# Altium PCB 小车PCB.PcbDoc (part 3 of 4) (continued)
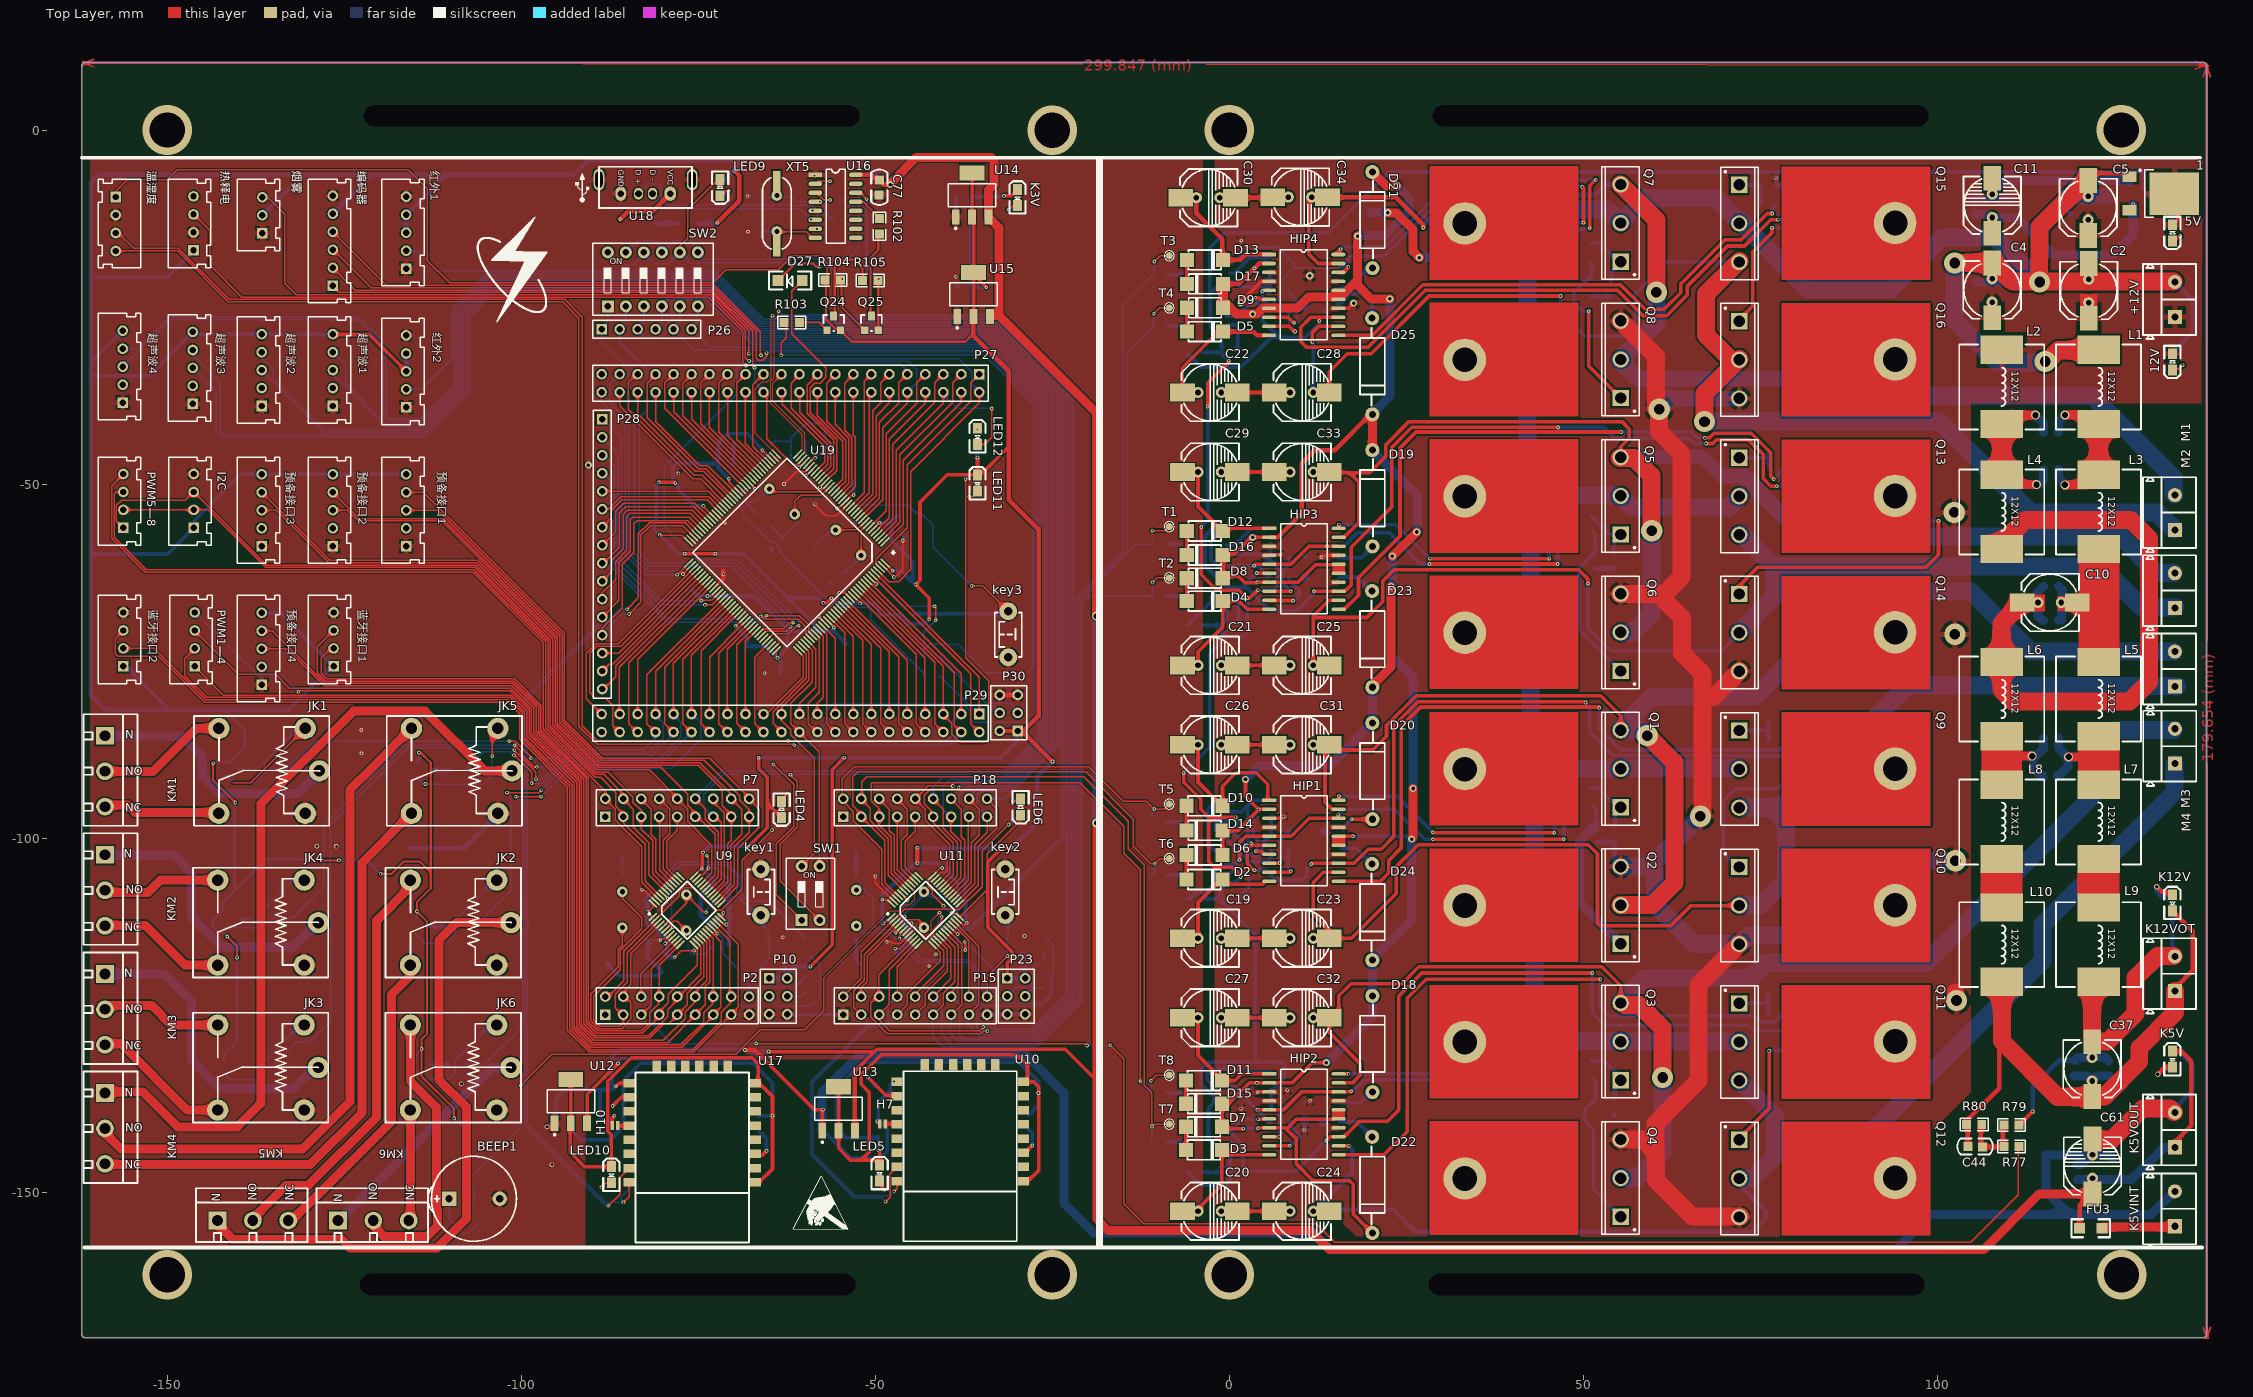
[diagram p0: Top Layer view]
## Nets (pads, with @x,y where several pads share a name; then routed paths per layer and width w, separated by ;. In a path a pad name is that pad's centre, name@x,y a point inside that pad or via, vN(x,y) a via of type N, cw(c..) or ccw(c..) an arc to the next point about the centre after c; other vN are vias at no path point) (continued)
NetJK4_2: JK4.2 Q21.1 | length 14.7
  Bottom Layer w0.203: Q21.1@-142.164,-112.272 -141.837,-112.598 -137.338,-112.598 -136.627,-111.887 -136.627,-110.236 -132.41,-106.02 JK4.2@-131.267,-106.02
NetJK5_2: JK5.2 Q22.1 | length 18.5
  Top Layer w0.203: v1(-104.089,-88.341) -104.089,-85.217 JK5.2@-103.327,-84.455
  Bottom Layer w0.203: Q22.1@-114.732,-91.241 -114.732,-91.313 -113.767,-92.278 v1(-113.513,-92.278) -105.461,-92.278 -104.191,-91.008 -104.191,-88.443 v1(-104.089,-88.341)
NetJK6_2: JK6.2 Q23.1 | length 15.6
  Bottom Layer w0.203: Q23.1@-114.859,-132.82 -113.72,-133.96 -110.312,-133.96 -109.347,-132.994 -109.347,-131.293 JK6.2@-104.013,-125.959
NetL7_2: L7.2 L9.1 | length 7.2
  Top Layer w2.54: L7.2@122.753,-102.863 122.753,-109.291 L9.1@123.317,-109.855
NetL8_2: L8.2 L10.1 | length 7.2
  Top Layer w2.54: L8.2@109.087,-102.863 109.087,-109.519 L10.1@109.499,-109.931
NetLED1_1: 12V.1 R1.1 | length 3.3
  Top Layer w0.203: 12V.1@133.172,-33.68 134.061,-33.68 v1(134.62,-33.122)
  Bottom Layer w0.203: R1.1@133.172,-33.579 134.163,-33.579 v1(134.62,-33.122)
NetLED2_1: 5V.1 R2.1 | length 2.7
  Top Layer w0.203: 5V.1@133.172,-15.596 133.553,-15.596 v1(134.264,-14.884)
  Bottom Layer w0.203: R2.1@133.274,-15.443 133.706,-15.443 v1(134.264,-14.884)
  Bottom Layer w0.508: R2.1@133.172,-15.469 R2.1@133.248,-15.392
NetLED3_1: K12V.1 R3.1 | length 5.8
  Top Layer w0.635: v7(130.988,-106.782) 131.801,-107.594 K12V.1@133.248,-107.594
  Bottom Layer w0.635: v7(130.988,-106.782) 130.988,-107.518 131.648,-108.179 R3.1@133.172,-108.179
NetLED4_2: LED4.2 R76.1 | length 3
  Top Layer w0.203: LED4.2@-63.094,-94.844 -63.094,-94.285 v1(-62.408,-93.599)
  Bottom Layer w0.203: R76.1@-63.195,-94.742 -63.195,-94.386 v1(-62.408,-93.599)
NetLED5_2: LED5.2 R85.1 | length 3.5
  Top Layer w0.203: LED5.2@-49.378,-148.361 -49.632,-148.615 -48.717,-149.53 v1(-48.717,-149.581)
  Bottom Layer w0.203: R85.1@-49.2,-148.387 -49.606,-148.793 -48.819,-149.581 v1(-48.717,-149.581)
NetLED6_2: LED6.2 R86.1 | length 2.4
  Top Layer w0.203: v1(-30.556,-94.691) -30.074,-94.691 LED6.2@-29.591,-94.209
  Bottom Layer w0.203: v1(-30.556,-94.691) -30.15,-94.285 R86.1@-29.464,-94.285
NetLED7_2: K3V.2 R91.2 | length 2.8
  Top Layer w0.203: v1(-31.217,-11.201) -30.607,-10.592 K3V.2@-29.921,-10.592
  Bottom Layer w0.203: v1(-31.217,-11.201) -30.785,-11.201 R91.2@-30.175,-10.592
NetLED8_2: K5V.2 R92.2 | length 4.8
  Top Layer w0.635: v7(131.14,-133.248) 132.105,-132.283 K5V.2@133.172,-132.283
  Bottom Layer w0.635: v7(131.14,-133.248) 131.928,-132.461 R92.2@133.172,-132.461
NetLED9_1: LED9.1 R99.1 | length 2.9
  Top Layer w0.203: LED9.1@-71.806,-9.246 -71.069,-8.509 v1(-70.688,-8.509)
  Bottom Layer w0.203: R99.1@-71.882,-9.169 -71.349,-9.169 v1(-70.688,-8.509)
NetLED10_2: LED10.2 R106.1 | length 3.6
  Top Layer w0.203: v1(-88.671,-149.25) -88.011,-148.59 LED10.2@-87.274,-148.59
  Bottom Layer w0.203: v1(-88.671,-149.25) -87.859,-149.25 R106.1@-87.071,-148.463
NetLED11_2: LED11.2 R109.1 | length 3.5
  Top Layer w0.203: v1(-36.754,-51.74) -36.22,-51.74 LED11.2@-35.408,-50.927
  Bottom Layer w0.203: v1(-36.754,-51.74) -36.83,-51.816 -36.83,-51.867 -36.551,-51.867 R109.1@-35.585,-50.902
NetLED12_1: LED12.1 R114.1 | length 0.1
  Top Layer w0.508: LED12.1@-35.636,-42.164 v1(-35.611,-42.189)
  Bottom Layer w0.508: v1(-35.611,-42.189) R114.1@-35.56,-42.189
NetP10_3: P10.3 R82.1 | length 14.8
  Bottom Layer w0.203: P10.3@-64.973,-122.25 -63.652,-123.571 -58.928,-123.571 -57.734,-122.377 -57.734,-118.059 ; R82.1@-59.258,-116.51 -57.721,-118.046
NetP10_4: P10.4 R83.2 | length 3
  Bottom Layer w0.203: P10.4@-62.433,-122.25 -60.401,-122.25 R83.2@-59.715,-121.564
NetP23_3: P23.3 R88.1 | length 9.4
  Bottom Layer w0.203: P23.3@-31.242,-122.098 -30.099,-120.955 -28.245,-120.955 -27.711,-120.421 -27.711,-118.364 -26.162,-116.815 R88.1@-26.162,-115.926
NetP23_4: P23.4 R90.2 | length 3.2
  Bottom Layer w0.203: P23.4@-28.905,-122.225 -27.788,-121.107 R90.2@-26.162,-121.107
NetP30_3: P30.3 R108.1 | length 14.2
  Bottom Layer w0.203: R108.1@-40.97,-74.244 -34.341,-80.874 -30.963,-80.874 P30.3@-29.921,-81.915
NetP30_4: P30.4 R110.2 | length 10.6
  Bottom Layer w0.203: R110.2@-40.97,-76.962 -36.678,-81.255 -33.376,-81.255 P30.4@-32.487,-82.144
NetQ1_1: Q1.1 R44.2 R52.2 | length 7.3
  Bottom Layer w0.508: R44.2@51.105,-92.888 R44.2@51.232,-92.888 52.248,-92.888 Q1.1@54.991,-95.631 ; Q1.1@54.254,-96.114 54.458,-96.317 R52.2@54.458,-98.196 R52.2@54.458,-98.323
NetQ2_1: Q2.1 R45.1 R53.1 | length 22.9
  Bottom Layer w0.508: R45.1@51.46,-95.453 51.791,-95.783 R53.1@51.791,-98.323
  Bottom Layer w1.27: R53.1@51.587,-98.222 49.428,-100.381 49.428,-109.005 Q2.1@55.27,-114.847
NetQ3_1: Q3.1 R46.2 R54.2 | length 8.5
  Bottom Layer w0.508: R46.2@51.105,-131.394 R46.2@51.232,-131.394 52.908,-131.394 55.016,-133.502 Q3.1@55.016,-134.061 ; R54.2@54.432,-136.779 R54.2@54.432,-136.652 54.432,-134.645 Q3.1@55.016,-134.061 ; Q3.1@55.016,-134.214 Q3.1@55.016,-134.061
NetQ4_1: Q4.1 R47.1 R55.1 | length 22.4
  Bottom Layer w0.508: R47.1@51.308,-133.909 51.714,-134.315 51.714,-136.779 50.216,-138.278 50.216,-139.929 51.46,-141.173 51.46,-149.574 Q4.1@55.27,-153.384
NetQ5_1: Q5.1 R48.2 R56.2 | length 8.1
  Bottom Layer w0.508: R48.2@51.13,-54.458 53.721,-57.048 Q5.1@55.042,-57.048 ; R56.2@54.331,-59.741 R56.2@54.331,-59.614 54.331,-57.76 Q5.1@55.042,-57.048 ; Q5.1@55.169,-57.048 Q5.1@55.042,-57.048
NetQ6_1: Q6.1 R49.1 R57.1 | length 23.3
  Bottom Layer w0.508: R49.1@51.308,-56.642 51.689,-57.023 R57.1@51.689,-59.741 ; R57.1@51.613,-59.588 49.378,-61.824 49.378,-70.418 Q6.1@55.27,-76.311
NetQ7_1: Q7.1 R50.2 R58.2 | length 8.1
  Bottom Layer w0.508: R50.2@51.13,-15.9 R50.2@51.257,-15.9 52.299,-15.9 54.966,-18.567 Q7.1@55.169,-18.567 ; R58.2@53.899,-21.26 R58.2@53.899,-21.133 53.899,-20.015 Q7.1@55.093,-18.821
NetQ8_1: Q8.1 R51.1 R59.1 | length 23.3
  Top Layer w0.508: v1(50.749,-25.527) 50.749,-33.253 Q8.1@55.27,-37.774
  Bottom Layer w0.508: R59.1@50.698,-20.853 48.641,-22.911 48.641,-24.282 49.886,-25.527 v1(50.749,-25.527) ; R59.1@51.13,-20.904 R51.1@51.13,-18.593
NetQ9_1: Q9.1 R60.2 R68.1 | length 6.8
  Bottom Layer w0.508: Q9.1@72.009,-84.725 76.038,-84.725 76.124,-84.811 ; R68.1@76.149,-86.081 76.149,-83.617 R60.2@76.302,-83.464
NetQ10_1: Q10.1 R61.1 R69.1 | length 30.6
  Bottom Layer w0.508: Q10.1@71.882,-104.14 69.748,-102.006 69.748,-94.64 71.45,-92.939 77.521,-92.939 77.495,-92.913 83.134,-87.274 R69.1@83.134,-86.081 ; R61.1@83.134,-83.414 83.134,-85.674 R69.1@83.312,-85.852
NetQ11_1: Q11.1 R62.2 R70.1 | length 6.8
  Bottom Layer w0.508: Q11.1@72.009,-123.262 76.069,-123.262 76.073,-123.266 ; R62.2@76.124,-121.971 76.124,-124.587 R70.1@76.2,-124.663
NetQ12_1: Q12.1 R63.1 R71.1 | length 26.2
  Top Layer w0.508: Q12.1@71.857,-142.469 76.225,-138.1 v1(76.225,-129.972)
  Bottom Layer w0.508: v1(76.225,-129.972) 77.962,-129.972 83.109,-124.825 83.109,-122.098 R63.1@82.982,-121.971
NetQ13_1: Q13.1 R64.2 R72.1 | length 6.7
  Bottom Layer w0.508: Q13.1@72.009,-46.189 76.163,-46.189 76.175,-46.177 ; R64.2@76.124,-45.11 76.175,-45.161 76.175,-46.177 ; R72.1@76.175,-47.65 76.175,-46.177
NetQ14_1: Q14.1 R65.1 R73.1 | length 58.7
  Top Layer w0.508: Q14.1@71.984,-65.151 71.984,-64.313 74.6,-61.697 98.374,-61.697 ; 98.374,-61.671 100.152,-59.893 v1(100.152,-55.093)
  Bottom Layer w0.508: R73.1@83.134,-47.65 90.576,-55.093 v1(100.152,-55.093) ; R65.1@83.134,-44.933 83.134,-47.625 R73.1@83.312,-47.803
NetQ15_1: Q15.1 R66.2 R74.1 | length 5.8
  Bottom Layer w0.508: Q15.1@72.009,-7.652 75.114,-7.652 R66.2@75.133,-7.671 ; R74.1@75.032,-10.389 75.057,-10.363 R66.2@75.057,-7.696
NetQ16_1: Q16.1 R67.1 R75.1 | length 24.3
  Top Layer w0.508: Q16.1@71.984,-26.441 72.238,-26.441 73.914,-24.765 73.914,-17.145 76.632,-14.427 v1(76.632,-13.716)
  Bottom Layer w0.508: v1(76.632,-13.716) 78.892,-13.716 R75.1@82.144,-10.465 ; R75.1@82.017,-10.287 82.093,-10.211 R67.1@82.093,-7.696
NetQ17_3: Q17.3 R89.2 | length 2.4
  Bottom Layer w0.203: Q17.3@-106.611,-151.714 -106.611,-149.385 R89.2@-106.553,-149.327
NetQ18_3: Q18.3 R93.2 | length 2.8
  Bottom Layer w0.203: Q18.3@-140.056,-90.199 R93.2@-137.744,-90.199 -137.486,-90.199 R93.2@-137.338,-90.348
NetQ19_3: Q19.3 R94.2 | length 2.5
  Bottom Layer w0.508: Q19.3@-112.928,-112.45 -110.722,-112.45 R94.2@-110.541,-112.268
NetQ20_3: Q20.3 R95.2 | length 2.6
  Bottom Layer w0.203: Q20.3@-139.954,-132.211 -137.537,-132.211 R95.2@-137.389,-132.359
NetQ21_3: Q21.3 R96.2 | length 2.2
  Bottom Layer w0.203: Q21.3@-140.132,-111.332 -138.071,-111.332 R96.2@-137.998,-111.404
NetQ22_3: Q22.3 R97.2 | length 2.6
  Bottom Layer w0.635: Q22.3@-112.7,-90.301 -110.207,-90.301 R97.2@-110.16,-90.348
NetQ23_3: Q23.3 R98.2 | length 2.6
  Bottom Layer w0.508: Q23.3@-112.827,-131.881 R98.2@-110.515,-131.881 -110.341,-131.881 R98.2@-110.287,-131.826
NetQ24_1: Q24.1 R103.2 | length 4.4
  Top Layer w0.203: R103.2@-60.757,-27.102 -57.912,-27.102 Q24.1@-56.82,-28.194
NetQ24_3: Q24.3 R105.1 | length 13.5
  Top Layer w0.305: Q24.3@-55.88,-26.162 -55.728,-26.01 -55.728,-18.898 -55.067,-18.237 -53.086,-18.237 -51.816,-19.507 ; R105.1@-51.791,-21.133 -51.791,-19.634
NetQ25_2: Q25.2 R105.2 U16.14 | length 21
  Top Layer w0.305: U16.14@-52.743,-8.788 -52.095,-8.788 v1(-51.206,-9.677) ; R105.2@-49.809,-21.158 -49.721,-21.247 -49.581,-21.387 Q25.2@-49.581,-28.194
  Bottom Layer w0.305: v1(-51.206,-9.677) -51.206,-19.279 v1(-49.505,-20.98)
NetQ25_3: Q25.3 R102.2 | length 12.1
  Top Layer w0.305: Q25.3@-50.546,-26.162 -50.673,-26.035 -50.673,-17.958 -49.581,-16.866 R102.2@-49.581,-14.605
NetR4_2: R4.2 U1.2 | length 2
  Bottom Layer w0.508: R4.2@-8.738,-105.156 R4.2@-8.611,-105.156 -7.061,-105.156 U1.2@-6.934,-105.029 ; U1.2@-6.68,-105.156 U1.2@-6.553,-105.029
NetR5_2: R5.2 U2.2 | length 2.1
  Bottom Layer w0.508: R5.2@-8.738,-97.688 R5.2@-8.611,-97.688 -7.061,-97.688 U2.2@-6.756,-97.384
NetR6_2: R6.2 U3.2 | length 2.1
  Bottom Layer w0.508: R6.2@-8.788,-135.89 R6.2@-8.661,-135.89 U3.2@-6.655,-135.89
NetR7_2: R7.2 U4.2 | length 1.9
  Bottom Layer w0.508: R7.2@-8.788,-142.824 R7.2@-8.661,-142.824 -6.985,-142.824 U4.2@-6.934,-142.773
NetR8_2: R8.2 U5.2 | length 1.9
  Bottom Layer w0.508: R8.2@-8.788,-58.445 R8.2@-8.661,-58.445 U5.2@-6.858,-58.445
NetR9_2: R9.2 U6.2 | length 2.1
  Bottom Layer w0.508: R9.2@-8.788,-65.761 R9.2@-8.661,-65.761 U6.2@-6.68,-65.761
NetR10_2: R10.2 U7.2 | length 2.1
  Bottom Layer w0.508: R10.2@-8.661,-20.422 R10.2@-8.534,-20.422 -7.036,-20.422 U7.2@-6.731,-20.117
NetR11_2: R11.2 U8.2 | length 2.3
  Bottom Layer w0.508: R11.2@-8.661,-27.559 R11.2@-8.534,-27.559 -6.528,-27.559 U8.2@-6.375,-27.407
NetR12_2: R12.2 U1.7 | length 7.1
  Bottom Layer w0.508: U1.7@0.051,-104.927 0.356,-104.623 2.083,-104.623 2.743,-105.283 2.743,-106.883 R12.2@1.067,-108.56
NetR13_2: R13.2 U2.7 | length 13.5
  Bottom Layer w0.508: U2.7@-0.47,-97.46 -1.473,-97.46 -2.007,-97.993 -2.007,-98.823 -1.414,-99.416 -1.016,-99.416 2.823,-103.255 5.305,-103.255 5.918,-102.641 R13.2@5.918,-101.727
NetR14_2: R14.2 U3.7 | length 13
  Bottom Layer w0.508: U3.7@-1.321,-135.915 -3.124,-134.112 -3.124,-133.299 -2.286,-132.461 1.219,-132.461 1.778,-133.02 R14.2@5.893,-133.02
NetR15_2: R15.2 U4.7 | length 13.1
  Bottom Layer w0.508: R15.2@-5.893,-147.066 -4.039,-148.92 -0.279,-148.92 0.102,-148.539 0.102,-144.95 0.749,-144.302 0.749,-143.345 U4.7@0.254,-142.85
NetR16_2: R16.2 U5.7 | length 7.1
  Bottom Layer w0.508: U5.7@-0.445,-58.547 0.737,-58.547 2.396,-56.888 2.421,-56.888 3.175,-56.134 R16.2@5.664,-56.134
NetR17_2: R17.2 U6.7 | length 5.3
  Bottom Layer w0.508: U6.7@-0.445,-65.786 0.838,-65.786 1.27,-66.218 1.27,-69.469 R17.2@1.168,-69.571
NetR24_2: R24.2 U7.7 | length 6.5
  Bottom Layer w0.508: U7.7@0.127,-20.142 0.686,-20.142 2.845,-17.983 R24.2@5.69,-17.983
NetR25_2: R25.2 U8.7 | length 5.2
  Bottom Layer w0.508: U8.7@-0.445,-27.483 0.914,-27.483 1.168,-27.737 R25.2@1.168,-31.191
NetR81_2: R81.2 U10.3 | length 4.3
  Top Layer w0.508: U10.3@-29.121,-144.342 -28.848,-144.342 v1(-27.838,-143.332)
  Bottom Layer w0.508: R81.2@-28.372,-140.995 -27.838,-141.529 v1(-27.838,-143.332)
NetR84_2: R84.2 U10.16 | length 7.3
  Top Layer w0.508: v1(-51.079,-133.706) -48.539,-136.246 U10.16@-46.888,-136.246
  Bottom Layer w0.508: v1(-51.079,-133.706) -51.029,-133.706 R84.2@-49.606,-135.128
NetR100_2: R100.2 U16.3 | length 2.5
  Top Layer w0.203: U16.3@-58.458,-8.788 -58.313,-8.788 -57.297,-9.804 v1(-56.363,-9.804)
NetR101_2: R101.2 U17.3 | length 4.6
  Top Layer w0.508: U17.3@-66.624,-144.729 -65.989,-144.729 v1(-65.354,-144.094)
  Bottom Layer w0.508: R101.2@-66.319,-141.402 -65.354,-142.367 v1(-65.354,-144.094)
NetR102_1: R102.1 U16.13 | length 3.8
  Top Layer w0.203: U16.13@-52.248,-10.033 -51.689,-10.033 R102.1@-49.428,-12.294
NetR107_2: R107.2 U17.16 | length 2.9
  Top Layer w0.508: v1(-87.097,-137.744) -85.872,-136.52 U17.16@-84.742,-136.52
PA0: P24.2 P27.26 U19.34 | length 85
  Top Layer w0.203: P24.2@-126.517,-19.456 -123.444,-22.53 -73.056,-22.53 -67.31,-28.276 -67.31,-33.249 v1(-67.056,-33.503) ; P27.26@-65.786,-36.957 -65.303,-37.44 -65.303,-43.536 -61.62,-47.219 -61.087,-47.219 U19.34@-60.808,-46.939
  Bottom Layer w0.203: v1(-67.056,-33.503) -67.005,-33.553 -67.005,-35.458 -65.913,-36.551 P27.26@-65.913,-36.881
PA1: P27.23 U19.35 | length 13.4
  Top Layer w0.127: P27.23@-63.5,-34.722 -64.465,-35.687 -64.465,-38.227 -59.969,-42.723 -59.969,-45.39 U19.35@-60.274,-45.695
PA4: P27.25 U19.40 | length 13.2
  Top Layer w0.203: P27.25@-65.786,-34.417 -67.285,-35.916 -67.285,-44.552 U19.40@-65.557,-46.279
PA5: P27.28 U19.41 | length 10.7
  Top Layer w0.203: P27.28@-68.326,-36.932 -68.326,-44.196 U19.41@-65.888,-46.634
PA6: P27.27 U19.42 | length 14.4
  Top Layer w0.203: P27.27@-68.326,-34.392 -69.545,-35.611 -69.545,-43.612 U19.42@-66.269,-46.888
PA7: P27.30 U19.43 | length 12.1
  Top Layer w0.203: P27.30@-70.866,-36.957 -70.866,-43.078 U19.43@-66.624,-47.32
PA8: P29.27 U19.100 | length 11.7
  Top Layer w0.203: P29.27@-68.326,-82.372 -68.326,-72.136 U19.100@-67.31,-71.12
PA12: P24.1 U19.104 | length 123.9
  Top Layer w0.203: P24.1@-126.67,-21.895 -125.705,-22.86 -73.193,-22.86 -67.843,-28.21 v1(-67.843,-31.496) ; U19.104@-64.872,-71.552 -64.389,-71.069 -62.205,-71.069 -61.062,-69.926 v1(-60.808,-69.926)
  Bottom Layer w0.203: v1(-67.843,-31.496) -67.843,-31.725 -69.596,-33.477 -69.596,-37.236 -79.807,-47.447 -79.807,-55.873 -79.571,-56.109 -79.571,-56.116 -75.082,-60.604 -69.571,-60.604 -61.087,-69.088 -61.087,-69.113 -60.808,-69.393 v1@-60.808,-69.85 ; v1(-60.808,-69.926) v1@-60.77,-69.888
PA13: P29.26 U19.105 | length 13.1
  Top Layer w0.203: P29.26@-65.811,-84.963 -67.031,-83.744 -67.031,-74.397 U19.105@-65.608,-72.974
PA14: P29.25 U19.109 | length 11
  Top Layer w0.203: P29.25@-65.786,-82.398 -65.38,-82.398 -60.198,-77.216 -60.198,-74.193 U19.109@-60.376,-74.016
PA15: P29.24 U19.110 | length 13.9
  Top Layer w0.203: P29.24@-63.221,-84.938 -64.44,-83.718 -64.44,-82.067 -59.741,-77.368 -59.741,-73.965 U19.110@-60.046,-73.66
PB0: P27.31 U19.46 | length 17.3
  Top Layer w0.203: P27.31@-73.431,-34.417 -74.651,-35.636 -74.651,-41.377 -67.691,-48.336 U19.46@-67.691,-48.362
PB1: P27.34 U19.47 | length 15
  Top Layer w0.203: P27.34@-75.946,-37.008 -75.946,-40.792 -68.072,-48.666 U19.47@-68.072,-48.717
PB3: P29.7 U19.133 | length 20.8
  Top Layer w0.203: U19.133@-51.994,-65.43 -42.977,-74.447 P29.7@-42.977,-82.448
PB4: P29.6 U19.134 | length 24.6
  Top Layer w0.203: U19.134@-51.689,-65.049 -41.631,-75.108 -41.631,-83.769 P29.6@-40.411,-84.988
PB5: P29.5 R109.2 U19.135 | length 71.4
  Top Layer w0.203: U19.135@-51.283,-64.745 -40.411,-75.616 P29.5@-40.411,-82.448 ; P29.5@-40.488,-82.423 -39.192,-83.718 -39.192,-85.268 -38.049,-86.411 -34.442,-86.411 -33.985,-85.954 -33.985,-77.673 -37.236,-74.422 v1(-37.236,-49.251)
  Bottom Layer w0.203: v1(-37.236,-49.251) -36.754,-48.768 -35.56,-48.768 R109.2@-35.585,-48.743
PB8: P29.2 U19.139 | length 28.4
  Top Layer w0.203: U19.139@-50.37,-62.836 -49.377,-63.829 -49.377,-63.831 -36.525,-76.683 -36.525,-83.769 P29.2@-35.306,-84.988
PB9: P29.1 U19.140 | length 25.5
  Top Layer w0.203: U19.140@-49.606,-62.89 -35.306,-77.191 P29.1@-35.306,-82.398 P29.1@-35.306,-82.448
PB12: P27.44 U19.73 | length 34.6
  Top Layer w0.203: v1(-78.003,-62.713) -77.927,-62.713 -76.759,-61.544 U19.73@-76.759,-61.519
  Bottom Layer w0.203: P27.44@-88.646,-36.932 -88.646,-38.354 -85.319,-41.681 -85.319,-59.868 -82.474,-62.713 -78.232,-62.713 v1@-78.105,-62.586 ; v1(-78.003,-62.713) v1@-77.927,-62.713
PB13: P27.41 U19.74 | length 36.6
  Top Layer w0.203: v1(-77.154,-62.622) U19.74@-76.53,-61.998
  Bottom Layer w0.203: P27.41@-86.106,-34.392 -87.401,-35.687 -87.401,-38.481 -84.785,-41.097 -84.785,-59.665 -82.321,-62.128 -77.648,-62.128 v1(-77.154,-62.622)
PB14: P29.43 U19.75 | length 29.4
  Top Layer w0.203: P29.43@-88.646,-81.915 P29.43@-88.646,-82.398 -90.78,-80.264 -90.78,-73.787 -89.459,-72.466 -86.309,-72.466 U19.75@-76.149,-62.306
PB15: P29.42 U19.76 | length 33
  Top Layer w0.203: P29.42@-86.131,-85.014 -87.085,-84.061 -87.085,-81.165 -88.087,-80.162 -89.51,-80.162 -90.322,-79.35 -90.322,-73.797 -89.322,-72.796 -85.954,-72.796 -75.768,-62.611 U19.76@-75.717,-62.611
PC0: P27.19 U19.26 | length 16.8
  Top Layer w0.203: P27.19@-58.166,-34.468 -59.639,-35.941 -59.639,-39.929 -55.88,-43.688 -55.88,-47.752 U19.26@-56.845,-48.717
PC1: P27.22 U19.27 | length 13.8
  Top Layer w0.203: P27.22@-60.655,-36.982 -60.655,-39.776 -56.286,-44.145 -56.286,-47.396 U19.27@-57.379,-48.489
PC2: P27.21 U19.28 | length 16.7
  Top Layer w0.203: P27.21@-60.655,-34.442 -61.874,-35.662 -61.874,-39.243 -56.718,-44.399 -56.718,-47.142 U19.28@-57.683,-48.108
PC3: P27.24 U19.29 | length 13.6
  Top Layer w0.203: P27.24@-63.271,-36.982 -63.144,-37.109 -63.144,-38.633 -57.15,-44.628 -57.15,-46.838 U19.29@-57.988,-47.676
PC4: P27.29 U19.44 | length 16
  Top Layer w0.203: P27.29@-70.866,-34.417 -72.085,-35.636 -72.085,-42.57 U19.44@-66.904,-47.752
PC5: P27.32 U19.45 | length 13.6
  Top Layer w0.203: P27.32@-73.431,-36.957 -73.431,-41.885 U19.45@-67.285,-48.031
PC6: P29.31 U19.96 | length 14.7
  Top Layer w0.203: P29.31@-73.381,-82.448 -73.381,-74.371 U19.96@-68.682,-69.672
PC7: P29.30 U19.97 | length 17
  Top Layer w0.203: P29.30@-70.891,-84.963 -72.111,-83.744 -72.111,-73.787 U19.97@-68.377,-70.053
PC8: P29.29 U19.98 | length 13.2
  Top Layer w0.203: P29.29@-70.891,-82.423 -70.891,-73.279 U19.98@-67.996,-70.383
PC9: P29.28 U19.99 | length 15.4
  Top Layer w0.203: P29.28@-68.326,-84.912 -69.545,-83.693 -69.545,-72.644 U19.99@-67.666,-70.764
PC10: P29.23 SW1.4 U19.111 | length 34.6
  Top Layer w0.203: P29.23@-63.246,-82.398 -63.246,-83.287 -61.925,-84.607 -61.925,-85.319 -58.598,-88.646 -58.598,-102.083 SW1.4@-60.198,-103.683 ; P29.23@-63.221,-82.398 -63.221,-81.458 -59.385,-77.622 -59.385,-73.584 U19.111@-59.639,-73.33
PC11: P29.22 SW1.3 U19.112 | length 34
  Top Layer w0.203: U19.112@-59.385,-72.898 -58.877,-73.406 -58.877,-77.876 -61.9,-80.899 -61.9,-83.744 P29.22@-60.706,-84.938 -57.937,-87.706 SW1.3@-57.937,-103.81
PC12: P29.21 U19.113 | length 11.1
  Top Layer w0.203: P29.21@-60.681,-82.423 -60.681,-80.899 -58.369,-78.588 -58.369,-73.228 U19.113@-59.055,-72.542
PC13: P27.7 U19.7 | length 24.2
  Top Layer w0.203: U19.7@-50.317,-55.524 -48.463,-53.67 -48.463,-42.799 -44.145,-38.481 -44.145,-35.636 P27.7@-42.926,-34.417
PC14: C78.2 U19.8 XT6.1 | length 8.2
  Top Layer w0.203: XT6.1@-52.001,-59.998 -52.001,-56.522 U19.8@-51.46,-55.982
  Bottom Layer w0.203: C78.2@-54.762,-62.509 -54.407,-62.509 XT6.1@-51.918,-60.02 ; XT6.1@-52.172,-59.919 XT6.1@-52.121,-59.919
PC15: C79.2 U19.9 XT6.2 | length 7.9
  Top Layer w0.203: XT6.2@-55.593,-56.406 -52.621,-56.406 U19.9@-51.968,-55.753
  Bottom Layer w0.203: C79.2@-58.268,-58.776 C79.2@-58.598,-58.776 -56.261,-56.439 XT6.2@-56.261,-56.058
PD0: P28.3 U19.114 | length 49.1
  Top Layer w0.203: v1@-66.192,-68.58 -66.011,-68.58 -65.605,-68.986 -65.205,-68.986 -65.17,-68.952 -65.135,-68.986 -60.858,-68.986 -59.792,-70.053 -59.792,-71.12 -59.237,-71.675 U19.114@-59.209,-71.675
  Bottom Layer w0.203: P28.3@-88.392,-45.745 -86.843,-47.295 -86.843,-61.366 -79.299,-68.91 -66.497,-68.91 v1(-66.192,-68.605)
PD1: P28.4 U19.115 | length 47.2
  Top Layer w0.203: v1(-65.405,-68.504) -60.706,-68.504 -59.396,-69.814 -59.396,-70.754 -58.855,-71.294 U19.115@-58.855,-71.321
  Bottom Layer w0.203: P28.4@-88.163,-48.616 -87.325,-49.454 -87.325,-61.544 -79.4,-69.469 -66.294,-69.469 -65.38,-68.555 v1@-65.38,-68.478
PD2: P24.3 P29.20 U19.116 | length 206.3
  Top Layer w0.203: P24.3@-126.67,-16.713 -121.183,-22.2 -72.919,-22.2 -66.827,-28.292 -66.827,-32.156 -66.548,-32.436 -65.888,-32.436 -65.329,-31.877 -65.354,-31.852 v1(-65.354,-31.42) ; P29.20@-58.217,-84.963 -59.436,-83.744 -59.436,-80.899 -57.887,-79.35 -57.887,-71.603 U19.116@-57.937,-71.552
  Bottom Layer w0.203: v1(-65.354,-31.42) -65.202,-31.267 -34.497,-31.267 -27.356,-38.409 -27.356,-82.728 -28.169,-83.541 -36.195,-83.541 -36.576,-83.16 -36.576,-81.991 -37.541,-81.026 -56.032,-81.026 -56.921,-81.915 -56.921,-83.642 P29.20@-58.217,-84.938
PD3: P29.19 U19.117 | length 11.7
  Top Layer w0.203: P29.19@-58.217,-82.423 -58.217,-80.899 -57.328,-80.01 -57.328,-71.425 U19.117@-57.582,-71.171
PD4: P29.18 U19.118 | length 15
  Top Layer w0.203: U19.118@-57.302,-70.739 -56.871,-71.171 -56.871,-83.795 P29.18@-55.651,-85.014
PD5: P29.17 U19.119 | length 12.6
  Top Layer w0.203: U19.119@-56.921,-70.409 -55.651,-71.679 P29.17@-55.651,-82.474
PD6: P29.16 U19.122 | length 16.7
  Top Layer w0.203: U19.122@-55.855,-69.393 -55.829,-69.393 -54.331,-70.891 -54.331,-83.718 P29.16@-53.111,-84.938
PD7: P29.15 U19.123 | length 14.4
  Top Layer w0.203: U19.123@-55.499,-69.012 -53.111,-71.399 P29.15@-53.111,-82.398
PD8: P28.14 U19.77 | length 17.7
  Top Layer w0.203: P28.14@-88.57,-73.787 -86.233,-73.787 -75.413,-62.967 U19.77@-75.387,-62.967
PD9: P28.15 U19.78 | length 19
  Top Layer w0.203: P28.15@-88.57,-76.327 -87.605,-75.362 -87.097,-75.362 U19.78@-74.981,-63.246
PD10: P28.16 U19.79 | length 21
  Top Layer w0.203: P28.16@-88.57,-78.867 -88.367,-78.867 -86.639,-77.14 -86.639,-75.59 U19.79@-74.727,-63.678
PD11: P29.41 U19.80 | length 23.4
  Top Layer w0.203: P29.41@-86.131,-82.474 -86.131,-75.819 U19.80@-74.295,-63.983
PD12: P29.40 U19.81 | length 25.7
  Top Layer w0.203: P29.40@-83.566,-85.014 -84.785,-83.795 -84.785,-75.184 U19.81@-73.939,-64.338
PD13: P29.39 U19.82 | length 21.8
  Top Layer w0.203: P29.39@-83.566,-82.474 P29.39@-83.566,-82.398 -83.566,-74.676 U19.82@-73.635,-64.745
PD14: P28.1 U19.85 | length 37.8
  Top Layer w0.203: v1(-74.574,-66.37) -74.549,-66.345 -73.118,-66.345 U19.85@-72.084,-65.311
  Bottom Layer w0.203: P28.1@-88.57,-40.64 -85.903,-43.307 -85.903,-60.706 -80.239,-66.37 v1(-74.574,-66.37)
PD15: P28.2 U19.86 | length 36
  Top Layer w0.203: v1(-74.041,-66.98) -73.05,-66.98 -72.974,-66.904 ; -72.972,-66.906 U19.86@-71.73,-65.664
  Bottom Layer w0.203: P28.2@-88.417,-43.485 -86.36,-45.542 -86.36,-60.96 -80.289,-67.031 -80.239,-66.98 v1(-74.041,-66.98)
PE0: P24.4 P27.2 U19.141 | length 137.8
  Top Layer w0.203: P24.4@-126.594,-14.3 -119.05,-21.844 -72.808,-21.844 -66.218,-28.434 -66.218,-31.725 v1@-66.091,-31.852 ; U19.141@-49.073,-62.713 -48.082,-63.703 -46.711,-63.703 -44.983,-61.976 -44.983,-48.158 -35.281,-38.456 P27.2@-35.281,-36.932
  Bottom Layer w0.203: v1(-66.142,-31.725) -66.142,-31.801 -65.71,-32.233 -38.176,-32.233 -36.373,-34.036 -36.373,-35.839 P27.2@-35.458,-36.754
PE1: P27.1 U19.142 | length 32.9
  Top Layer w0.203: U19.142@-49.911,-61.214 -49.911,-60.528 -45.491,-56.109 -45.491,-47.219 -36.5,-38.227 -36.5,-35.611 P27.1@-35.281,-34.392
PE2: P27.4 U19.1 | length 24.9
  Top Layer w0.203: U19.1@-48.082,-57.607 -46.05,-55.575 -46.05,-46.533 -37.871,-38.354 P27.4@-37.871,-36.957
PE3: P27.3 U19.2 | length 27.2
  Top Layer w0.203: U19.2@-48.412,-57.226 -46.533,-55.347 -46.533,-45.796 -39.091,-38.354 -39.091,-35.636 P27.3@-37.871,-34.417
PE4: LED12.2 P27.6 U19.3 | length 38.7
  Top Layer w0.203: U19.3@-48.844,-56.947 -47.041,-55.143 -47.041,-45.136 -40.386,-38.481 P27.6@-40.386,-36.957 ; LED12.2@-36.119,-44.323 LED12.2@-35.56,-44.323 -34.569,-44.323 -33.553,-43.307 v1(-33.553,-39.243)
  Bottom Layer w0.203: P27.6@-40.792,-36.906 -38.456,-39.243 ; -38.43,-39.243 v1(-33.553,-39.243)
PE5: P27.5 U19.4 | length 25.8
  Top Layer w0.203: U19.4@-49.2,-56.566 -47.549,-54.915 -47.549,-44.298 -41.605,-38.354 -41.605,-35.636 P27.5@-40.386,-34.417
PE6: P27.8 U19.5 | length 21.8
  Top Layer w0.203: U19.5@-49.403,-56.109 -48.006,-54.712 -48.006,-43.561 -42.926,-38.481 P27.8@-42.926,-36.957
PE7: P28.5 U19.58 | length 17.4
  Top Layer w0.203: P28.5@-88.57,-50.927 -73.609,-50.927 U19.58@-71.907,-52.629
PE8: P28.6 U19.59 | length 17.6
  Top Layer w0.203: P28.6@-88.57,-53.467 -87.732,-53.467 -85.954,-51.689 -73.533,-51.689 U19.59@-72.238,-52.984
PE9: P28.7 U19.60 | length 18.7
  Top Layer w0.203: P28.7@-88.57,-56.007 -87.325,-54.762 -87.325,-53.696 -85.776,-52.146 -73.762,-52.146 U19.60@-72.568,-53.34
PE10: P28.8 U19.63 | length 19.8
  Top Layer w0.203: P28.8@-88.57,-58.547 -86.665,-56.642 -86.665,-53.772 -85.496,-52.603 -75.463,-52.603 U19.63@-73.66,-54.407
PE11: P28.9 U19.64 | length 21.4
  Top Layer w0.203: P28.9@-88.57,-61.087 -88.392,-61.087 -86.131,-58.826 -86.131,-54.026 -85.217,-53.111 -75.641,-53.111 U19.64@-73.99,-54.762
PE12: P28.10 U19.65 | length 22.7
  Top Layer w0.203: P28.10@-88.57,-63.627 -87.198,-62.255 -87.198,-60.681 -85.573,-59.055 -85.573,-54.178 -85.014,-53.619 -75.87,-53.619 U19.65@-74.397,-55.093
PE13: P28.11 U19.66 | length 24.3
  Top Layer w0.203: P28.11@-88.57,-66.167 -88.57,-65.303 -86.665,-63.398 -86.665,-60.858 -85.09,-59.284 -85.09,-54.483 -84.684,-54.077 -76.098,-54.077 U19.66@-74.676,-55.499
PE14: P28.12 U19.67 | length 25.5
  Top Layer w0.203: P28.12@-88.57,-68.707 -86.208,-66.345 -86.208,-61.062 -84.582,-59.436 -84.582,-54.889 -84.277,-54.585 -76.276,-54.585 U19.67@-75.133,-55.728
PE15: P28.13 U19.68 | length 26.8
  Top Layer w0.203: P28.13@-88.57,-71.247 -88.57,-70.256 -85.75,-67.437 -85.75,-61.214 -84.125,-59.588 -84.125,-55.55 -83.642,-55.067 -76.505,-55.067 U19.68@-75.463,-56.109
PF0: P22.3 P27.10 U19.10 | length 133.6
  Top Layer w0.203: P22.3@-136.5,-9.423 -135.788,-9.423 -133.426,-11.786 -133.426,-21.539 -131.775,-23.19 -73.33,-23.19 -68.351,-28.169 -68.351,-32.055 v1@-67.818,-32.588 ; U19.10@-51.206,-54.381 -48.946,-52.121 -48.946,-41.961 -45.466,-38.481 P27.10@-45.466,-36.957
  Bottom Layer w0.203: v1(-67.818,-32.537) -67.818,-32.614 -67.767,-32.563 -45.415,-32.563 -44.171,-33.807 -44.171,-35.611 P27.10@-45.237,-36.678
PF1: P19.3 P27.9 U19.11 | length 137.7
  Top Layer w0.203: P19.3@-146.329,-11.76 -144.018,-14.072 -144.018,-18.974 -139.471,-23.52 -73.508,-23.52 -68.682,-28.346 -68.682,-32.741 v1(-68.25,-33.172) ; U19.11@-51.537,-54.026 -49.428,-51.918 -49.428,-41.224 -46.685,-38.481 -46.685,-35.636 P27.9@-45.466,-34.417
  Bottom Layer w0.203: v1(-68.25,-33.172) -68.097,-33.02 -46.431,-33.02 -45.593,-33.858 P27.9@-45.593,-34.011
PF2: P27.12 U19.12 | length 18.4
  Top Layer w0.203: U19.12@-51.994,-53.721 -49.86,-51.587 -49.86,-40.31 -48.006,-38.456 P27.12@-48.006,-36.932
PF3: P27.11 U19.13 | length 20.7
  Top Layer w0.203: U19.13@-52.349,-53.34 -50.343,-51.333 -50.343,-39.573 -49.225,-38.456 -49.225,-35.611 P27.11@-48.006,-34.392
PF4: P27.14 U19.14 | length 16.8
  Top Layer w0.203: U19.14@-52.629,-52.934 -50.851,-51.156 -50.851,-37.287 P27.14@-50.546,-36.982